# Altium PCB radxa_nx4_io_board_v1.11.PcbDoc (part 1 of 13) (continued)
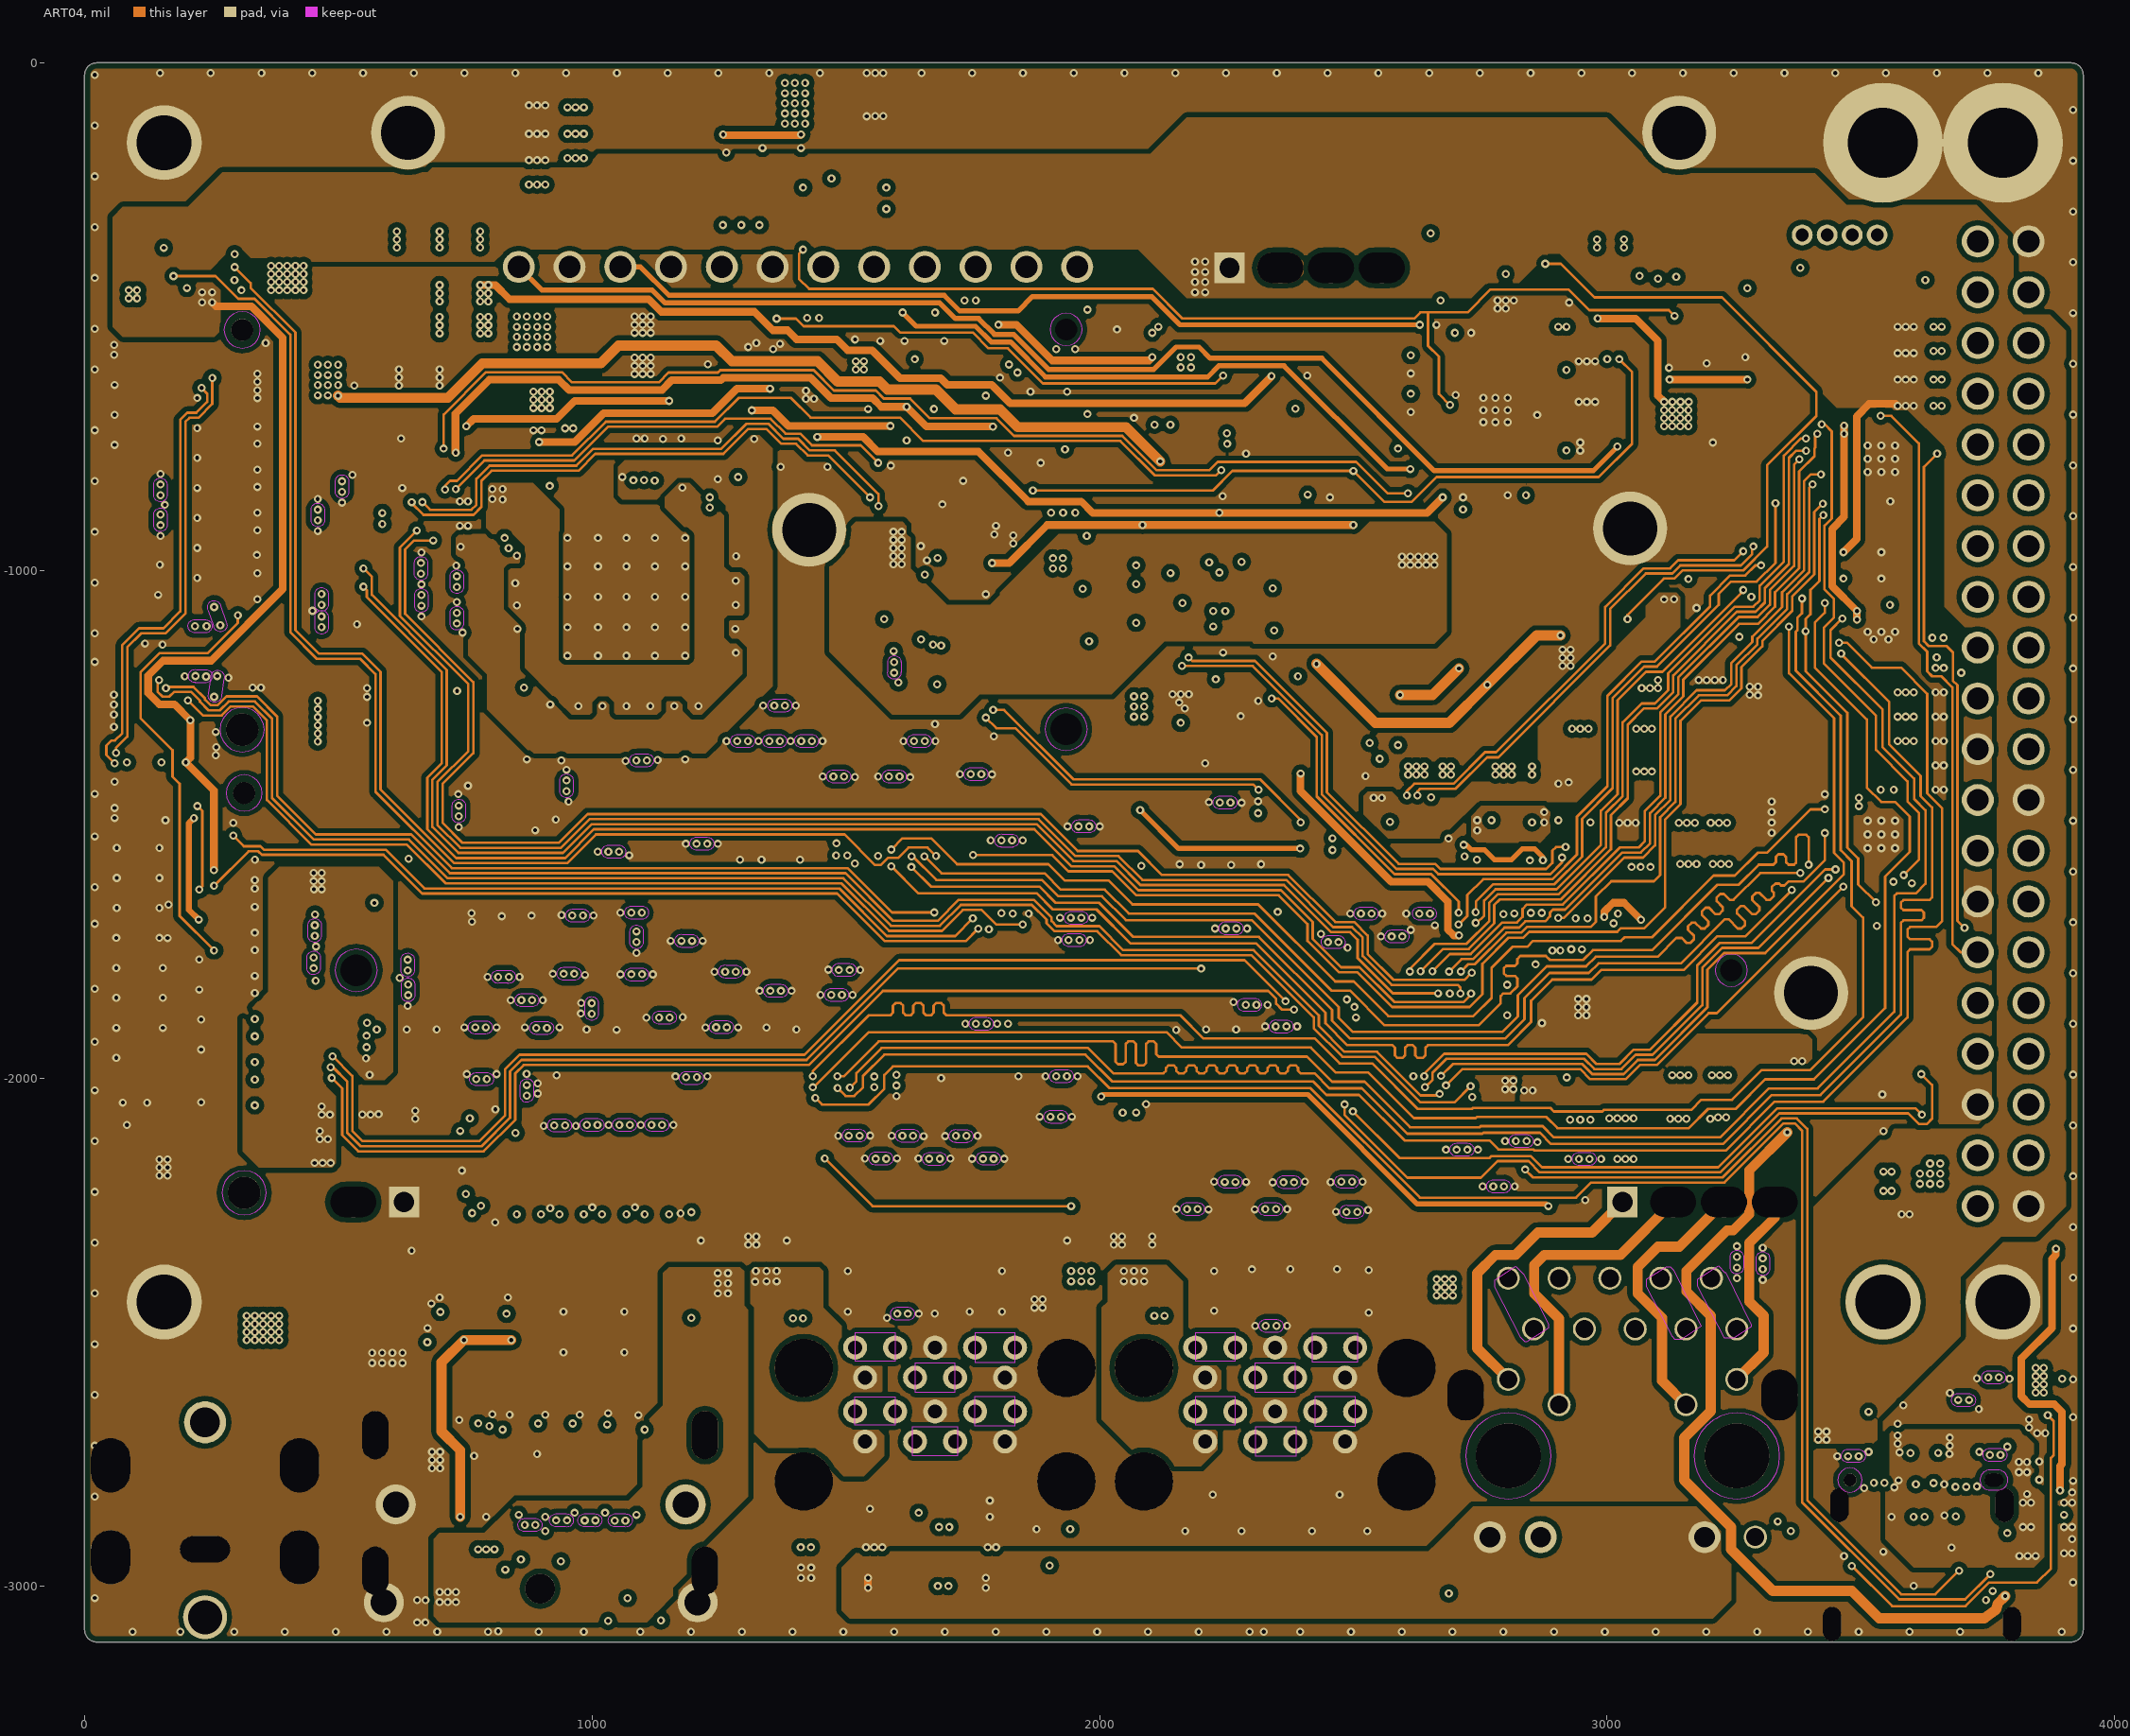
[diagram p4: ART04]
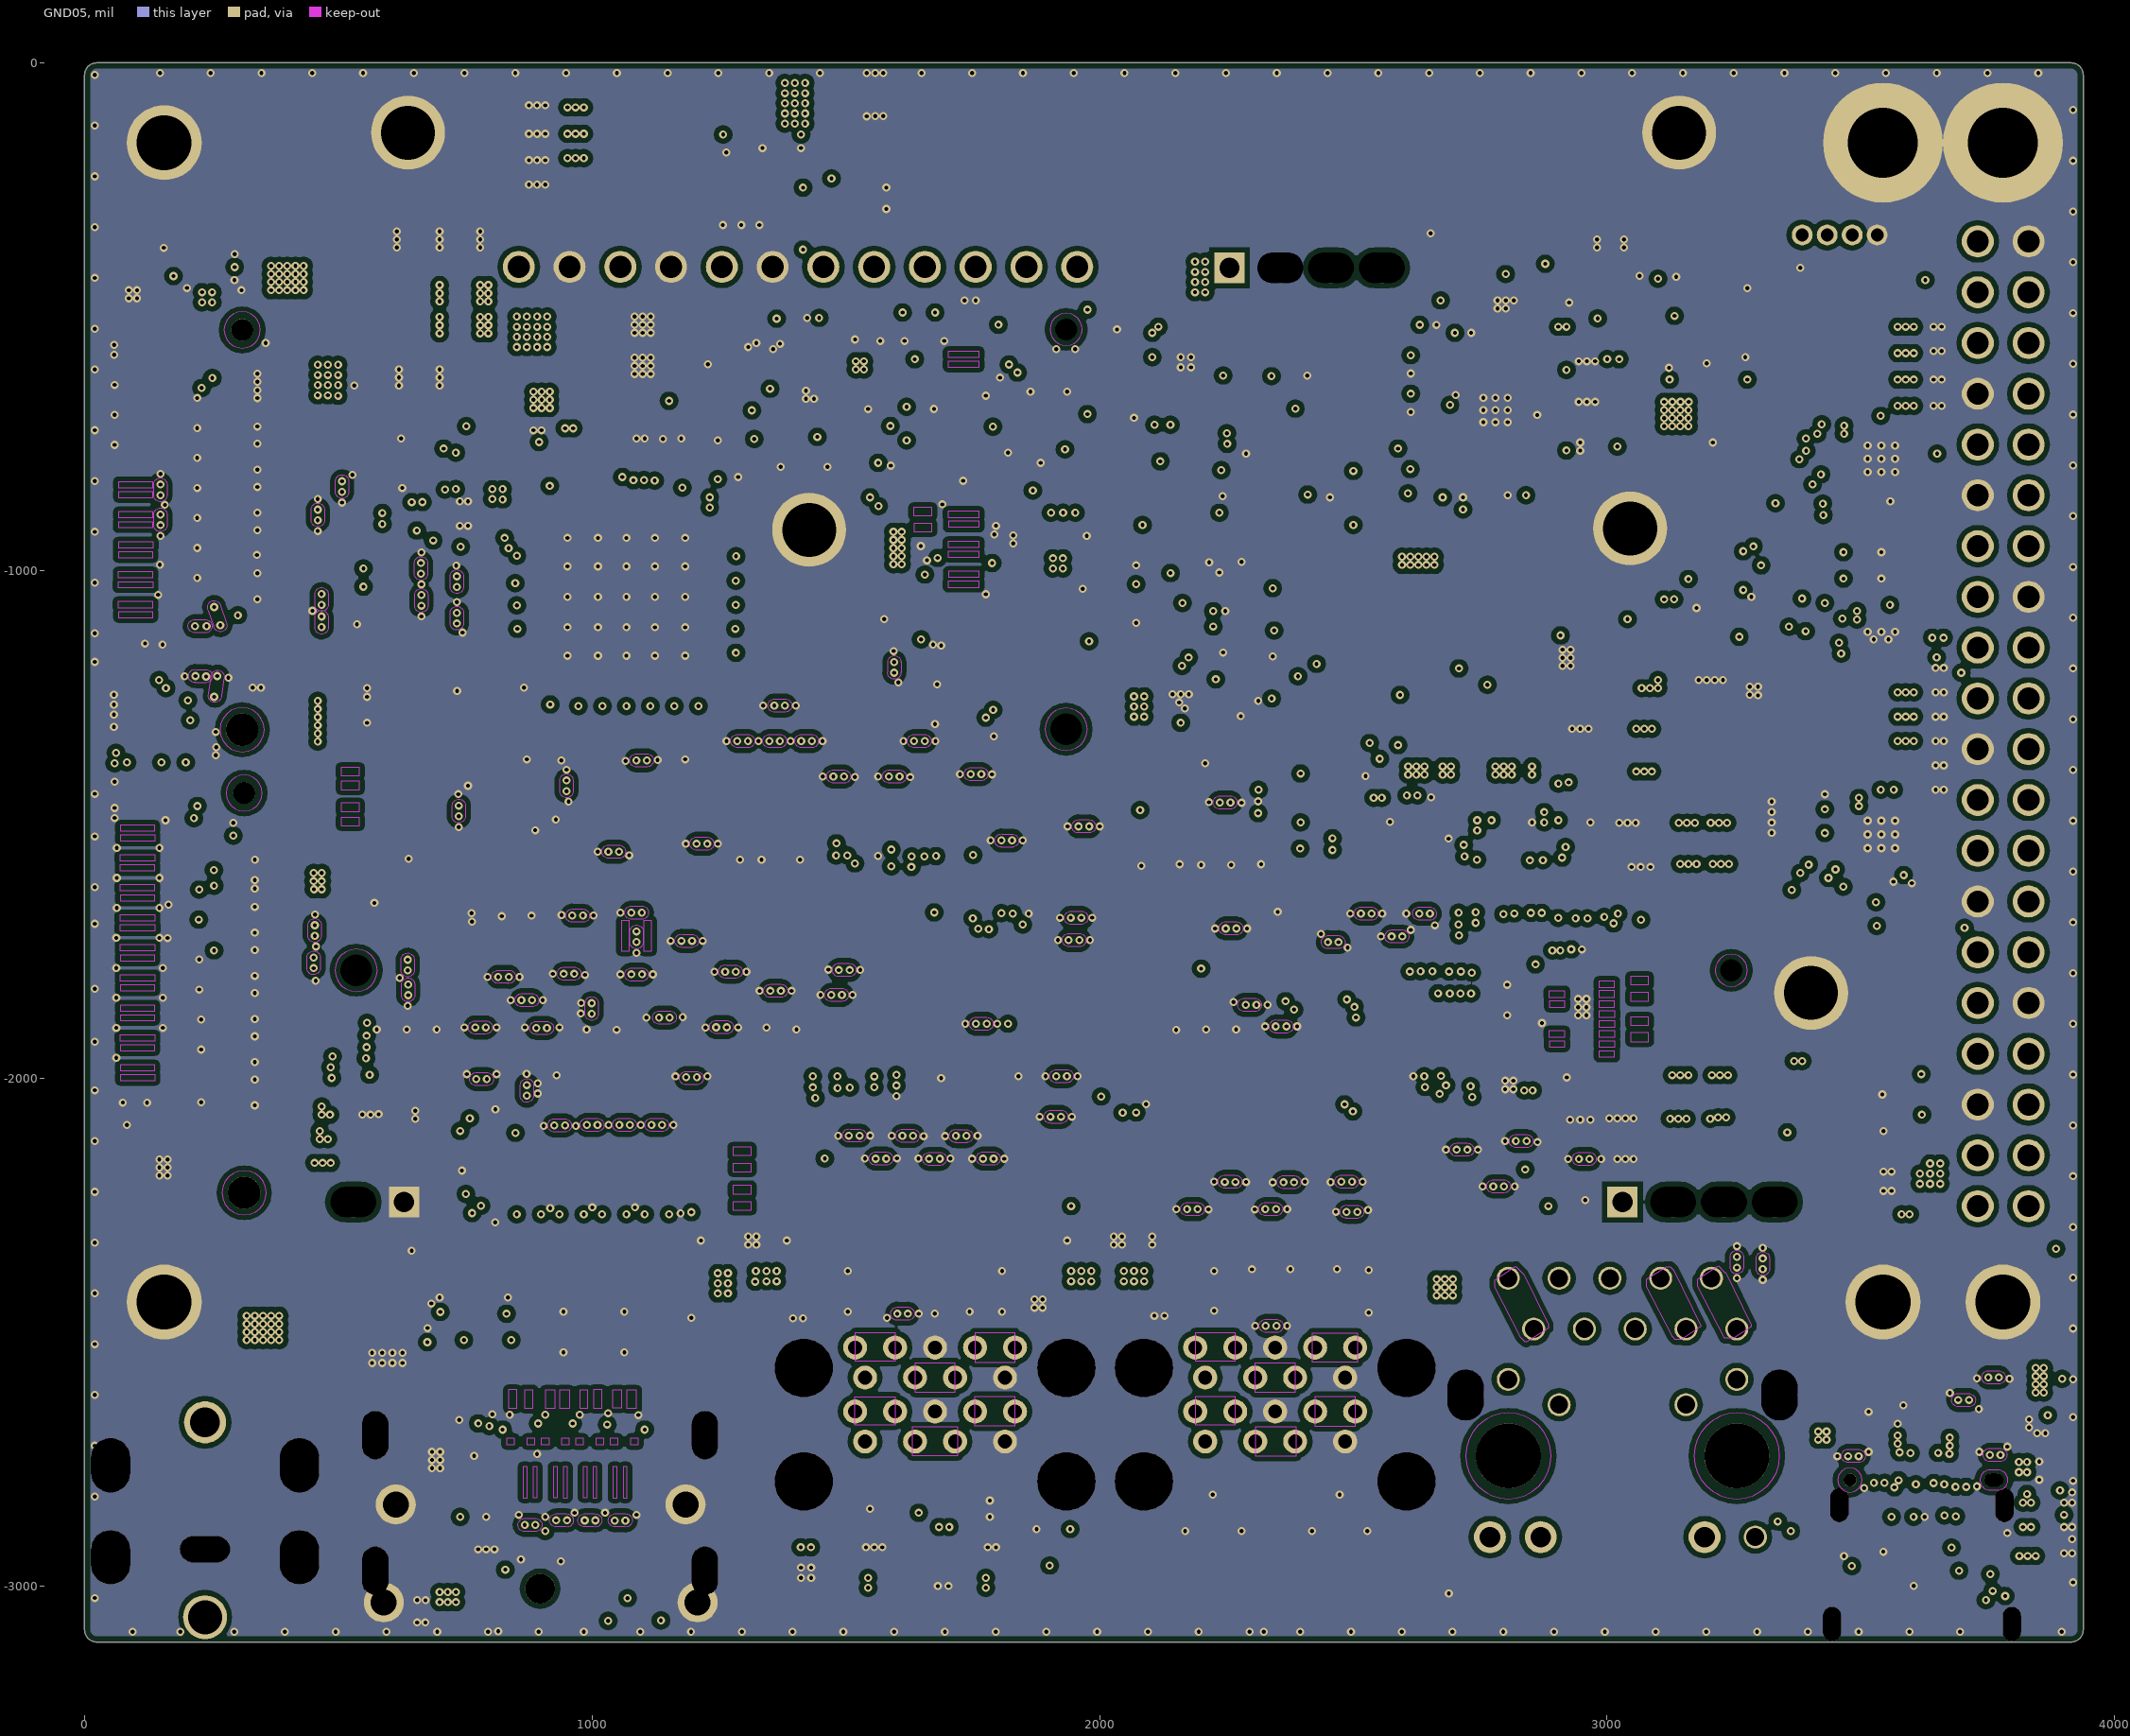
[diagram p5: GND05]

## Layer stack, top to bottom
Top Solder: solder mask 0.4, Solder Resist, Dk 3.5
TOP: signal copper 1.2
Dielectric 1: core 8, FR-4, Dk 4.5
GND02: signal copper 1.2
Dielectric2: core 8, FR-4, Dk 4.5
ART03: signal copper 1.2
Dielectric3: core 8, FR-4, Dk 4.5
ART04: signal copper 1.2
Dielectric4: core 8, FR-4, Dk 4.5
GND05: signal copper 1.2
Dielectric5: core 8, FR-4, Dk 4.5
BOTTOM: signal copper 1.2
Bottom Solder: solder mask 0.4, Solder Resist, Dk 3.5

## Board outline
3914.12,-0.23 cw(c3914.12,-23.85) 3937.74,-23.85 3937.74,-3086.84 cw(c3914.12,-3086.84) 3914.12,-3110.46 24.35,-3110.46 cw(c24.35,-3086.84) 0.73,-3086.84 0.73,-23.85 cw(c24.35,-23.85) 24.35,-0.23

## Design rules (kind name [scope] priority, off if disabled: settings)
Clearance [All] p1: gap=10 ignorepadtopadclearanceinfootprint=FALSE
DiffPairsRouting [All] p1: maxlimit=10 minlimit=10 mostfreqgap=10 toplayer_minwidth=15 toplayer_maxwidth=15 toplayer_prefwidth=15 midlayer1_minwidth=15 midlayer1_maxwidth=15 midlayer1_prefwidth=15 midlayer2_minwidth=15 midlayer2_maxwidth=15 midlayer2_prefwidth=15 midlayer3_minwidth=15 midlayer3_maxwidth=15 midlayer3_prefwidth=15 midlayer4_minwidth=15 midlayer4_maxwidth=15 midlayer4_prefwidth=15 bottomlayer_minwidth=15 bottomlayer_maxwidth=15 bottomlayer_prefwidth=15 maxuncoupledlength=500
PlaneConnect [All] p1: planeconnectstyle=Direct reliefexpansion=20 reliefentries=4 reliefconductorwidth=10 reliefairgap=10
PolygonConnect [All] p1: connectstyle=Direct reliefconductorwidth=10 reliefentries=4 polygonreliefangle="90 Angle" airgapwidth=10
RoutingVias [All] p1: holewidth=28 width=50 viastyle="Through Hole" minholewidth=28 minwidth=50 maxholewidth=28 maxwidth=50
SolderMaskExpansion [All] p1: expansion=4 istentingtop=FALSE
Width [All] p1: maxlimit=10 minlimit=10 preferedwidth=10 impedanceprofiledriven=TRUE minimp=13.490000 maximp=57.270000 favimp=3.010000
28 further rules are at their usual default settings.

## Classes and differential pairs
differential pair DP0_TXD1: +USBSS1_TX_N -USBSS1_TX_P
differential pair DP0_TXD0: +USBSS1_RX_N -USBSS1_RX_P
differential pair USB_PEX_TX6: +USBSS_TX6_N -USBSS_TX6_P
differential pair USB_PEX_RX6: +USBSS_TX6_HUB_N -USBSS_TX6_HUB_P
differential pair DIFFPAIR140: +USBC_TX2_C_N -USBC_TX2_C_P
differential pair DIFFPAIR142: +USBC_TX1_N -USBC_TX1_P
differential pair DIFFPAIR141: +USBC_TX1_C_N -USBC_TX1_C_P
differential pair USBC_RX2: +USBC_RX2_N -USBC_RX2_P
differential pair USBC_RX1: +USBC_RX1_N -USBC_RX1_P
differential pair DIFFPAIR136: +USB2_AP_N -USB2_AP_P
differential pair USB1_AP: +USB1_AP_N -USB1_AP_P
differential pair DIFFPAIR139: +USB0_CON_N -USB0_CON_P
differential pair USB0_AP: +USB0_AP_N -USB0_AP_P
differential pair PCIE3_CLK: +PCIE3_CLK_N -PCIE3_CLK_P
differential pair CSI_D_D1: +PCIE2_TX1_N -PCIE2_TX1_P
differential pair CSI_C_D0: +PCIE2_TX0_N -PCIE2_TX0_P
differential pair CSI_C_D1: +PCIE2_RX1_N -PCIE2_RX1_P
differential pair CSI_D_D0: +PCIE2_RX0_N -PCIE2_RX0_P
differential pair CSI_C_CLK: +PCIE2_CLK_N -PCIE2_CLK_P
differential pair PCIE1_TX0: +PCIE1_TX0_N -PCIE1_TX0_P
differential pair PCIE1_RX0: +PCIE1_RX0_N -PCIE1_RX0_P
differential pair PEX_CLK2: +PCIE1_CLK_N -PCIE1_CLK_P
differential pair PCIE0_TX3: +PCIE0_TX3_N -PCIE0_TX3_P
differential pair PCIE0_TX2: +PCIE0_TX2_N -PCIE0_TX2_P
differential pair PCIE0_TX1: +PCIE0_TX1_N -PCIE0_TX1_P
differential pair PCIE0_TX0: +PCIE0_TX0_N -PCIE0_TX0_P
differential pair PCIE0_RX3: +PCIE0_RX3_N -PCIE0_RX3_P
differential pair PCIE0_RX2: +PCIE0_RX2_N -PCIE0_RX2_P
differential pair PCIE0_RX1: +PCIE0_RX1_N -PCIE0_RX1_P
differential pair PCIE0_RX0: +PCIE0_RX0_N -PCIE0_RX0_P
differential pair PCIE0_CLK: +PCIE0_CLK_N -PCIE0_CLK_P
differential pair DIFFPAIR131: +N9950013 -N9950017
differential pair DIFFPAIR132: +N9949909 -N9949915
differential pair DIFFPAIR130: +N9949897 -N9949903
differential pair USBC_TX2: +N9923637 -USBC_TX2_N
differential pair DIFFPAIR103: +N9400941 -N9400985
differential pair DIFFPAIR100: +N9400328 -N9400354
differential pair DIFFPAIR83: +N9131837 -N9131841
differential pair DIFFPAIR78: +N9131537 -N9131541
differential pair DIFFPAIR135: +N9131218 -N9131222
differential pair DIFFPAIR138: +N9130902 -N9130906
differential pair DIFFPAIR86: +N9130407 -N9130411
differential pair DIFFPAIR77: +N9129707 -N9129711
differential pair DIFFPAIR85: +N9129239 -N9129265
differential pair DIFFPAIR129: +N9086529 -N9086533
differential pair DIFFPAIR128: +N9086509 -N9086513
differential pair DIFFPAIR115: +N9086489 -N9086493
differential pair DIFFPAIR114: +N9086469 -N9086473
differential pair DIFFPAIR102: +N8566457 -N8566461
differential pair DIFFPAIR101: +N8566421 -N8566425
differential pair DIFFPAIR96: +N8553152 -N8553156
differential pair DIFFPAIR97: +N8553018 -N8553022
differential pair DIFFPAIR98: +N8552888 -N8552892
differential pair DIFFPAIR99: +N8552784 -N8552811
differential pair DIFFPAIR137: +N8485458 -N8485464
differential pair DIFFPAIR133: +N10163186 -N10163190
differential pair DIFFPAIR134: +N10163038 -N10163048
differential pair DSP2_SSTX: +HUB4_SSTX_N_J53 -HUB4_SSTX_P_J53
differential pair DIFFPAIR19: +HUB4_SSTX_N -HUB4_SSTX_P
differential pair DIFFPAIR113: +HUB4_SSRX_N_J53 -HUB4_SSRX_P_J53
differential pair DIFFPAIR67: +HUB4_SSRX_N -HUB4_SSRX_P
differential pair DIFFPAIR111: +HUB4_DM_J53 -HUB4_DP_J53
differential pair DIFFPAIR118: +HUB4_DM -HUB4_DP
differential pair DSP1_SSTX: +HUB3_SSTX_N_J53 -HUB3_SSTX_P_J53
differential pair DIFFPAIR22: +HUB3_SSTX_N -HUB3_SSTX_P
differential pair DIFFPAIR112: +HUB3_SSRX_N_J53 -HUB3_SSRX_P_J53
differential pair DIFFPAIR21: +HUB3_SSRX_N -HUB3_SSRX_P
differential pair DIFFPAIR110: +HUB3_DM_J53 -HUB3_DP_J53
differential pair DIFFPAIR119: +HUB3_DM -HUB3_DP
differential pair DIFFPAIR104: +HUB2_SSTX_N_J25 -HUB2_SSTX_P_J25
differential pair DIFFPAIR74: +HUB2_SSTX_N -HUB2_SSTX_P
differential pair DIFFPAIR109: +HUB2_SSRX_N_J25 -HUB2_SSRX_P_J25
differential pair DIFFPAIR11: +HUB2_SSRX_N -HUB2_SSRX_P
differential pair DIFFPAIR107: +HUB2_DM_J25 -HUB2_DP_J25
differential pair DIFFPAIR116: +HUB2_DM -HUB2_DP
differential pair DIFFPAIR105: +HUB1_SSTX_N_J25 -HUB1_SSTX_P_J25
differential pair DIFFPAIR1: +HUB1_SSTX_N -HUB1_SSTX_P
differential pair DIFFPAIR108: +HUB1_SSRX_N_J25 -HUB1_SSRX_P_J25
differential pair DIFFPAIR10: +HUB1_SSRX_N -HUB1_SSRX_P
differential pair DIFFPAIR106: +HUB1_DM_J25 -HUB1_DP_J25
differential pair DIFFPAIR117: +HUB1_DM -HUB1_DP
differential pair DIFFPAIR28: +HDMI_TXD2_N -HDMI_TXD2_P
differential pair DIFFPAIR95: +HDMI_TXD2_CON_N -HDMI_TXD2_CON_P
differential pair HDMI_TXD1: +HDMI_TXD1_N -HDMI_TXD1_P
differential pair DIFFPAIR94: +HDMI_TXD1_CON_N -HDMI_TXD1_CON_P
differential pair HDMI_TXD0: +HDMI_TXD0_N -HDMI_TXD0_P
differential pair DIFFPAIR93: +HDMI_TXD0_CON_N -HDMI_TXD0_CON_P
differential pair HDMI_TXD3: +HDMI_TXC_N -HDMI_TXC_P
differential pair DIFFPAIR92: +HDMI_TXC_CON_N -HDMI_TXC_CON_P
differential pair DP_GBE_MDI3: +GBE_MDI3_N -GBE_MDI3_P
differential pair DP_GBE_MDI2: +GBE_MDI2_N -GBE_MDI2_P
differential pair DP_GBE_MDI1: +GBE_MDI1_N -GBE_MDI1_P
differential pair DP_GBE_MDI0: +GBE_MDI0_N -GBE_MDI0_P
differential pair DIFFPAIR88: +DDI_TX3_C_DN -DDI_TX3_C_DP
differential pair DIFFPAIR89: +DDI_TX2_C_DN -DDI_TX2_C_DP
differential pair DIFFPAIR90: +DDI_TX1_C_DN -DDI_TX1_C_DP
differential pair DIFFPAIR91: +DDI_TX0_C_DN -DDI_TX0_C_DP
differential pair DIFFPAIR87: +DDI_AUX_C_DN -DDI_AUX_C_DP
differential pair DIFFPAIR123: +CSI3_D1_N -CSI3_D1_P
differential pair DIFFPAIR124: +CSI3_D0_N -CSI3_D0_P
differential pair CSI_A_CLK: +CSI3_CLK_N -CSI3_CLK_P
differential pair DIFFPAIR126: +CSI2_D1_N -CSI2_D1_P
differential pair DIFFPAIR127: +CSI2_D0_N -CSI2_D0_P
differential pair DIFFPAIR125: +CSI2_CLK_N -CSI2_CLK_P
differential pair DIFFPAIR120: +CSI1_D1_N -CSI1_D1_P
differential pair DIFFPAIR122: +CSI1_D0_N -CSI1_D0_P
differential pair DIFFPAIR121: +CSI1_CLK_N -CSI1_CLK_P
differential pair CSI_A_D1: +CSI0_D1_N -CSI0_D1_P
differential pair CSI_A_D0: +CSI0_D0_N -CSI0_D0_P

## Components (designator, comment, footprint, x,y, rotation, side; value= is the part's Value field where it differs from the comment)
C1 "C_C1206_10UF 35V" C1206 3088,-2119 r180 top
C2 "C_C1206_10UF 35V" C1206 3088,-2036 r180 top
C3 "C_C0402_100NF 25V" C0402#1 500,-2588 r0 top
C4 "C_C0402_1UF 35V" C0402#1 416,-492 r270 top
C5 "C_C1206_10UF 35V" C1206 660,-400 r90 top
C6 "C_C1206_10UF 35V" C1206 740,-400 r90 top
C7 "C_C1206_10UF 35V" C1206 1000,-596 r0 bottom
C8 "C_C1206_10UF 35V" C1206 1000,-516 r0 bottom
C9 "C_C1206_10UF 35V" C1206 1000,-760 r0 bottom
C10 "C_C1206_10UF 35V" C1206 1000,-680 r0 bottom
C11 "C_C0805_4.7UF 50V" C0805 2520,-1196 r270 top
C12 "C_C0805_1UF 50V" C0805 2976,-1192 r90 top
C13 "C_C0201_100NF 50V" C0201#1 2248,-1380 r180 top
C14 "C_C0805_4.7UF 50V" C0805 600,-2124 r0 top
C15 "C_C0201_100NF 35V" C0201#2 3208,-716 r270 bottom
C16 "C_C0402_100NF 16V" C0402#2 3256,-712 r270 bottom
C17 "C_C1206_10UF 35V" C1206 1504,-145 r0 bottom
C18 "C_C0402_220PF 16V" C0402#2 3172,-384 r270 bottom
C19 "C_C0603_22UF 6.3V" C0603#1 3624,-648 r0 bottom
C20 "C_C0603_22UF 6.3V" C0603#1 3624,-596 r0 bottom
C21 "C_C0603_10UF 10V" C0603#1 3624,-544 r0 bottom
C22 "C_C0402_2.2UF 10V" C0402#2 3256,-460 r270 bottom
C23 "C_C0402_1UF 10V" C0402#1 1940,-952 r0 top
C24 "C_C0402_1UF 10V" C0402#1 1688,-952 r180 top
C25 "C_C0402_100NF 10V" C0402#1 1688,-912 r180 top
C26 "C_C0402_100PF 50V" C0402#1 2840,-410 r0 top
C27 "C_C0603_10UF 10V" C0603#1 3008,-382 r90 top
C28 "C_C0402_100NF 10V" C0402#1 2964,-398 r90 top
C29 "C_C0402_100NF 10V" C0402#1 2840,-482 r180 top
C30 "C_C0603_10UF 10V" C0603#1 2840,-526 r180 top
C31 "C_C0201_100NF 16V" C0201#1 3064,-1888 r0 bottom
C32 "C_C0201_100NF 16V" C0201#1 3064,-1920 r0 bottom
C33 "C_C0201_100NF 16V" C0201#1 3064,-1808 r0 bottom
C34 "C_C0201_100NF 16V" C0201#1 3064,-1840 r0 bottom
C35 "C_C0402_DP_100NF 10V_10%" C0402#1 804,-2396 r180 top
C36 "C_C0402_DP_100NF 10V_10%" C0402#1 736,-2396 r0 top
C37 "C_C0201_DP_220PF 25V" C0201#1 736,-2432 r180 top
C38 "C_C0201_DP_220PF 25V" C0201#1 804,-2432 r0 top
C39 "C_C0402_100NF 10V" C0402#1 1340,-1212 r0 top
C40 "C_C0402_100NF 10V" C0402#1 1340,-1176 r0 top
C41 "C_C0402_100NF 10V" C0402#1 1080,-1332 r270 top
C42 "C_C0402_100NF 10V" C0402#1 1116,-1332 r270 top
C43 "C_C0201_220PF 25V" C0201#1 672,-2340 r180 top
C44 "C_C0201_220PF 25V" C0201#1 672,-2396 r0 top
C45 "C_C0402_100NF 25V" C0402#1 728,-2212 r90 top
C46 "C_C0402_100NF 10V" C0402#1 952,-1332 r270 top
C47 "C_C0402_100NF 10V" C0402#1 988,-1332 r270 top
C48 "C_C0402_100NF 10V" C0402#1 1340,-1084 r0 top
C49 "C_C0402_100NF 10V" C0402#1 1340,-1048 r0 top
C50 "C_C0402_100NF 25V" C0402#1 776,-2212 r90 top
C51 "C_C1206_10UF 35V" C1206 3092,-1458 r180 top
C52 "C_C0402_4.7UF 10V" C0402#2 3292,-1100 r270 bottom
C53 "C_C1206_10UF 35V" C1206 3012,-1356 r180 bottom
C54 "C_C1206_10UF 35V" C1206 3012,-1436 r180 bottom
C55 "C_C0603_22UF 10V" C0603#1 3624,-1360 r0 bottom
C56 "C_C0603_22UF 10V" C0603#1 3624,-1216 r0 bottom
C57 "C_C0603_22UF 10V" C0603#1 3624,-1264 r0 bottom
C58 "C_C0201_100NF 50V" C0201#2 3276,-1372 r90 bottom
C59 "C_C1206_10UF 35V" C1206 3012,-628 r180 bottom
C60 "C_C1206_10UF 35V" C1206 3012,-1192 r180 bottom
C61 "C_C1206_10UF 35V" C1206 3012,-1272 r180 bottom
C62 "C_C0603_22UF 10V" C0603#2 3596,-1140 r270 bottom
C63 "C_C0201_470PF 25V" C0201#2 3230,-1100 r90 bottom
C64 "C_C0402_2.2UF 10V" C0402#2 3328,-1100 r270 bottom
C65 "C_C1206_10UF 35V" C1206 3092,-1536 r180 top
C66 "C_C0402_4.7UF 6.3V" C0402#1 3724,-2899 r0 bottom
C67 "C_C0201_390PF 50V" C0201#2 3628,-2896.86 r270 bottom
C68 "C_C0402_1UF 10V" C0402#1 3856,-2922 r0 top
C69 "C_C0603_22UF 10V" C0603#1 3864,-2968 r0 bottom
C70 "C_C0603_22UF 10V" C0603#1 3624,-1312 r0 bottom
C71 "C_C0201_390PF 50V" C0201#2 3660,-2896.86 r270 bottom
C72 "C_C0603_22UF 10V" C0603#1 3864,-2908 r0 bottom
C73 "C_C0402_100NF 10V" C0402#1 516,-680 r0 bottom
C74 "C_C0603_4.7UF 16V" C0603#1 1188,-2428 r180 top
C75 "C_C0603_4.7UF 16V" C0603#2 3808,-2652 r90 bottom
C76 "C_C0603_22UF 6.3V" C0603#1 524,-1324 r0 bottom
C77 "C_C0402_100NF 10V" C0402#1 524,-1236 r0 bottom
C78 "C_C0201_220NF 6.3V_10%" C0201#1 268,-1088 r0 top
C79 "C_C0201_220NF 6.3V_10%" C0201#1 268,-1132 r0 top
C80 "C_C0603_22UF 10V" C0603#1 3580,-2160 r180 top
C81 "C_C0603_4.7UF 16V" C0603#1 1940,-2432 r180 top
C82 "C_C0603_22UF 10V" C0603#1 3592,-1400 r0 top
C83 "C_C0201_1UF 6.3V" C0201#1 2828,-1988 r180 bottom
C84 "C_C0201_100NF 10V" C0201#1 2828,-1876 r180 bottom
C85 "C_C0402_100NF 10V" C0402#1 294,-1590 r0 top
C86 "C_C0201_100NF 16V" C0201#2 840,-2796 r270 bottom
C87 "C_C0201_DP_100NF 16V" C0201#1 696,-2504 r90 top
C88 "C_C0402_100NF 10V" C0402#1 2716,-816 r270 top
C89 "C_C0402_100NF 10V" C0402#1 2904,-664 r0 top
C90 "C_C0402_10NF 16V" C0402#1 2648,-688 r180 top
C91 "C_C0201_100NF 10V" C0201#1 2688,-2984 r90 top
C92 "C_C0201_100NF 16V" C0201#1 3568,-2944.86 r180 bottom
C93 "C_C0201_100NF 50V" C0201#1 2936,-2252 r270 top
C94 "C_C0201_100NF 35V" C0201#2 1324,-52 r90 bottom
C95 "C_C0402_100NF 16V" C0402#2 1276,-56 r90 bottom
C96 "C_C1206_10UF 35V" C1206 740,-568 r270 top
C97 "C_C1206_10UF 35V" C1206 3012,-708 r180 bottom
C98 "C_C1206_10UF 35V" C1206 1504,-66 r0 bottom
C99 "C_C1206_10UF 35V" C1206 660,-568 r270 top
C100 "C_C0603_22UF 6.3V" C0603#1 928,-164 r180 bottom
C101 "C_C0402_220PF 16V" C0402#2 1384,-304 r90 bottom
C102 "C_C0402_DP_100NF 10V_10%" C0402#1 1152,-2336 r90 top
C103 "C_C0402_DP_100NF 10V_10%" C0402#1 1104,-2336 r90 top
C104 "C_C0402_HDMI_100NF 10V_10%" C0402#1 852,-2304 r90 top
C105 "C_C0402_DP_100NF 10V_10%" C0402#1 1068,-2336 r90 top
C106 "C_C0402_HDMI_100NF 10V_10%" C0402#1 900,-2304 r90 top
C107 "C_C0402_DP_100NF 10V_10%" C0402#1 1020,-2336 r90 top
C108 "C_C0402_HDMI_100NF 10V_10%" C0402#1 984,-2304 r90 top
C109 "C_C0402_HDMI_100NF 10V_10%" C0402#1 936,-2304 r90 top
C110 "C_C0402_DP_100NF 10V_10%" C0402#1 984,-2336 r90 top
C111 "C_C0402_DP_100NF 10V_10%" C0402#1 936,-2336 r90 top
C112 "C_C0402_HDMI_100NF 10V_10%" C0402#1 1020,-2304 r90 top
C113 "C_C0402_DP_100NF 10V_10%" C0402#1 900,-2336 r90 top
C114 "C_C0402_HDMI_100NF 10V_10%" C0402#1 1068,-2304 r90 top
C115 "C_C0402_DP_100NF 10V_10%" C0402#1 852,-2336 r90 top
C116 "C_C0402_HDMI_100NF 10V_10%" C0402#1 1152,-2304 r90 top
C117 "C_C0603_22UF 6.3V" C0603#1 928,-216 r180 bottom
C118 "C_C0402_HDMI_100NF 10V_10%" C0402#1 1104,-2304 r90 top
C119 "C_C0603_22UF 6.3V" C0603#1 524,-2096 r0 bottom
C120 "C_C0603_10UF 10V" C0603#1 928,-112 r180 bottom
C121 "C_C0603_4.7UF 16V" C0603#1 788,-3052 r0 bottom
C122 "C_C0402_100NF 10V" C0402#1 688,-3052 r180 bottom
C123 "C_C0402_HDMI_100NF 10V" C0402#2 804,-2796 r270 bottom
C124 "C_C0603_HDMI_10UF 10V" C0603#2 756,-2796 r270 bottom
C125 "C_C0603_DP_10UF 10V" C0603#2 1460,-2944 r90 bottom
C126 "C_C0603_22UF 6.3V" C0603#1 524,-2048 r0 bottom
C127 "C_C0603_22UF 6.3V" C0603#1 524,-1276 r0 bottom
C128 "C_C0402_100NF 10V" C0402#1 528,-2140 r0 bottom
C129 "C_C0402_100NF 10V" C0402#1 294,-470 r0 top
C130 "C_C0201_220NF 6.3V" C0201#1 1652,-916 r180 bottom
C131 "C_C0201_220NF 6.3V" C0201#1 1652,-884 r180 bottom
C132 "C_C0402_2.2UF 10V" C0402#2 1276,-304 r90 bottom
C133 "C_C0201_1UF 6.3V" C0201#1 240,-1304 r0 top
C134 "C_C0201_220NF 6.3V_10%" C0201#1 220,-1088 r0 top
C135 "C_C0201_220NF 6.3V_10%" C0201#1 220,-1132 r0 top
C136 "C_C0201_220NF 6.3V_10%" C0201#1 1296,-2220 r0 bottom
C137 "C_C0201_220NF 6.3V_10%" C0201#1 1296,-2252 r0 bottom
C138 "C_C0201_220NF 6.3V_10%" C0201#1 1296,-2176 r0 bottom
C139 "C_C0201_220NF 6.3V_10%" C0201#1 1296,-2144 r0 bottom
C140 "C_C0402_100NF 10V" C0402#1 524,-1620 r0 bottom
C141 "C_C0201_220NF 6.3V_10%" C0201#1 524,-1495 r0 bottom
C142 "C_C0201_220NF 6.3V_10%" C0201#1 524,-1467 r0 bottom
C143 "C_C0201_220NF 6.3V_10%" C0201#1 524,-1396 r0 bottom
C144 "C_C0201_220NF 6.3V_10%" C0201#1 524,-1424 r0 bottom
C145 "C_C0603_10UF 10V" C0603#1 2124,-1220 r0 bottom
C146 "C_C0402_100NF 10V" C0402#1 2124,-1264 r0 bottom
C147 "C_C0603_10UF 10V" C0603#1 2124,-556 r0 bottom
C148 "C_C0402_100NF 10V" C0402#1 2124,-600 r0 bottom
C150 "C_C0201_100NF 16V" C0201#1 2524,-1432 r90 top
C151 "C_C0201_100NF 16V" C0201#1 2688,-1476 r90 top
C152 "C_C0603_22UF 10V" C0603#1 1372,-2428 r0 top
C153 "C_C0603_22UF 10V" C0603#1 2096,-2432 r0 top
C158 "C_C0402_100NF 10V" C0402#1 3580,-2204 r180 top
C159 "C_C0402_100NF 10V" C0402#1 3580,-2240 r180 top
C160 "C_C0402_100NF 10V" C0402#1 1610,-1136 r180 top
C161 "C_C0402_100NF 10V" C0402#1 3396,-480 r180 top
C162 "C_C0402_100NF 10V_10%" C0402#1 1752,-640 r270 top
C163 "C_C0402_100NF 10V_10%" C0402#1 1984,-532 r90 top
C164 "C_C0201_10NF 10V" C0201#1 1308,-532 r270 top
C169 "C_C0603_HDMI_10UF 10V" C0603#2 1692,-2944 r90 bottom
C371 "C_C0402_100NF 10V" C0402#1 784,-1004 r180 top
C373 "C_C0402_100NF 10V" C0402#1 784,-1040 r180 top
C375 "C_C0402_100NF 10V" C0402#1 784,-1076 r180 top
C377 "C_C0402_100NF 10V" C0402#1 784,-1112 r180 top
C378 "C_C0402_10PF 16V" C0402#1 820,-1332 r270 top
C379 "C_C0402_10PF 16V" C0402#1 784,-1220 r0 top
C382 "C_C0402_1UF 10V" C0402#1 1140,-780 r270 top
C388 "C_C0603_10UF 10V" C0603#1 908,-1326 r270 top
C398 "C_C0603_10UF 10V" C0603#1 784,-888 r180 top
C401 "C_C0402_1UF 10V" C0402#1 1352,-780 r270 top
C402 "C_C0402_1UF 10V" C0402#1 1392,-780 r270 top
C403 "C_C0402_1UF 10V" C0402#1 1544,-640 r90 top
C404 "C_C0402_1UF 10V" C0402#1 1248,-1020 r180 bottom
C405 "C_C0402_1UF 10V" C0402#1 1248,-1068 r180 bottom
C407 "C_C0402_100NF 10V" C0402#2 976,-1232 r270 bottom
C408 "C_C0402_100NF 10V" C0402#1 1240,-1332 r270 top
C409 "C_C0402_100NF 10V" C0402#1 1248,-1160 r180 bottom
C410 "C_C0402_100NF 10V" C0402#1 1212,-780 r90 top
C414 "C_C0402_1UF 10V" C0402#1 1248,-1116 r180 bottom
C417 "C_C0402_100NF 10V" C0402#1 1060,-780 r90 top
C418 "C_C0402_100NF 10V" C0402#1 1180,-1332 r270 top